# Altium PCB InsaneKeyboard.PcbDoc (part 3 of 4)
Units mil, origin at the board's own origin, x right, y up, seen from the top; angles counter-clockwise.
Board outline 7442.83 x 6333.68 mil, 4 copper layers (Top Layer, Int1 (GND), Int2 (GND), Bottom Layer), stack 60.6 mil thick; 288 components, 175 nets, 883 pads, 451 vias.
Unrouted connection lines stored in the file: 70.
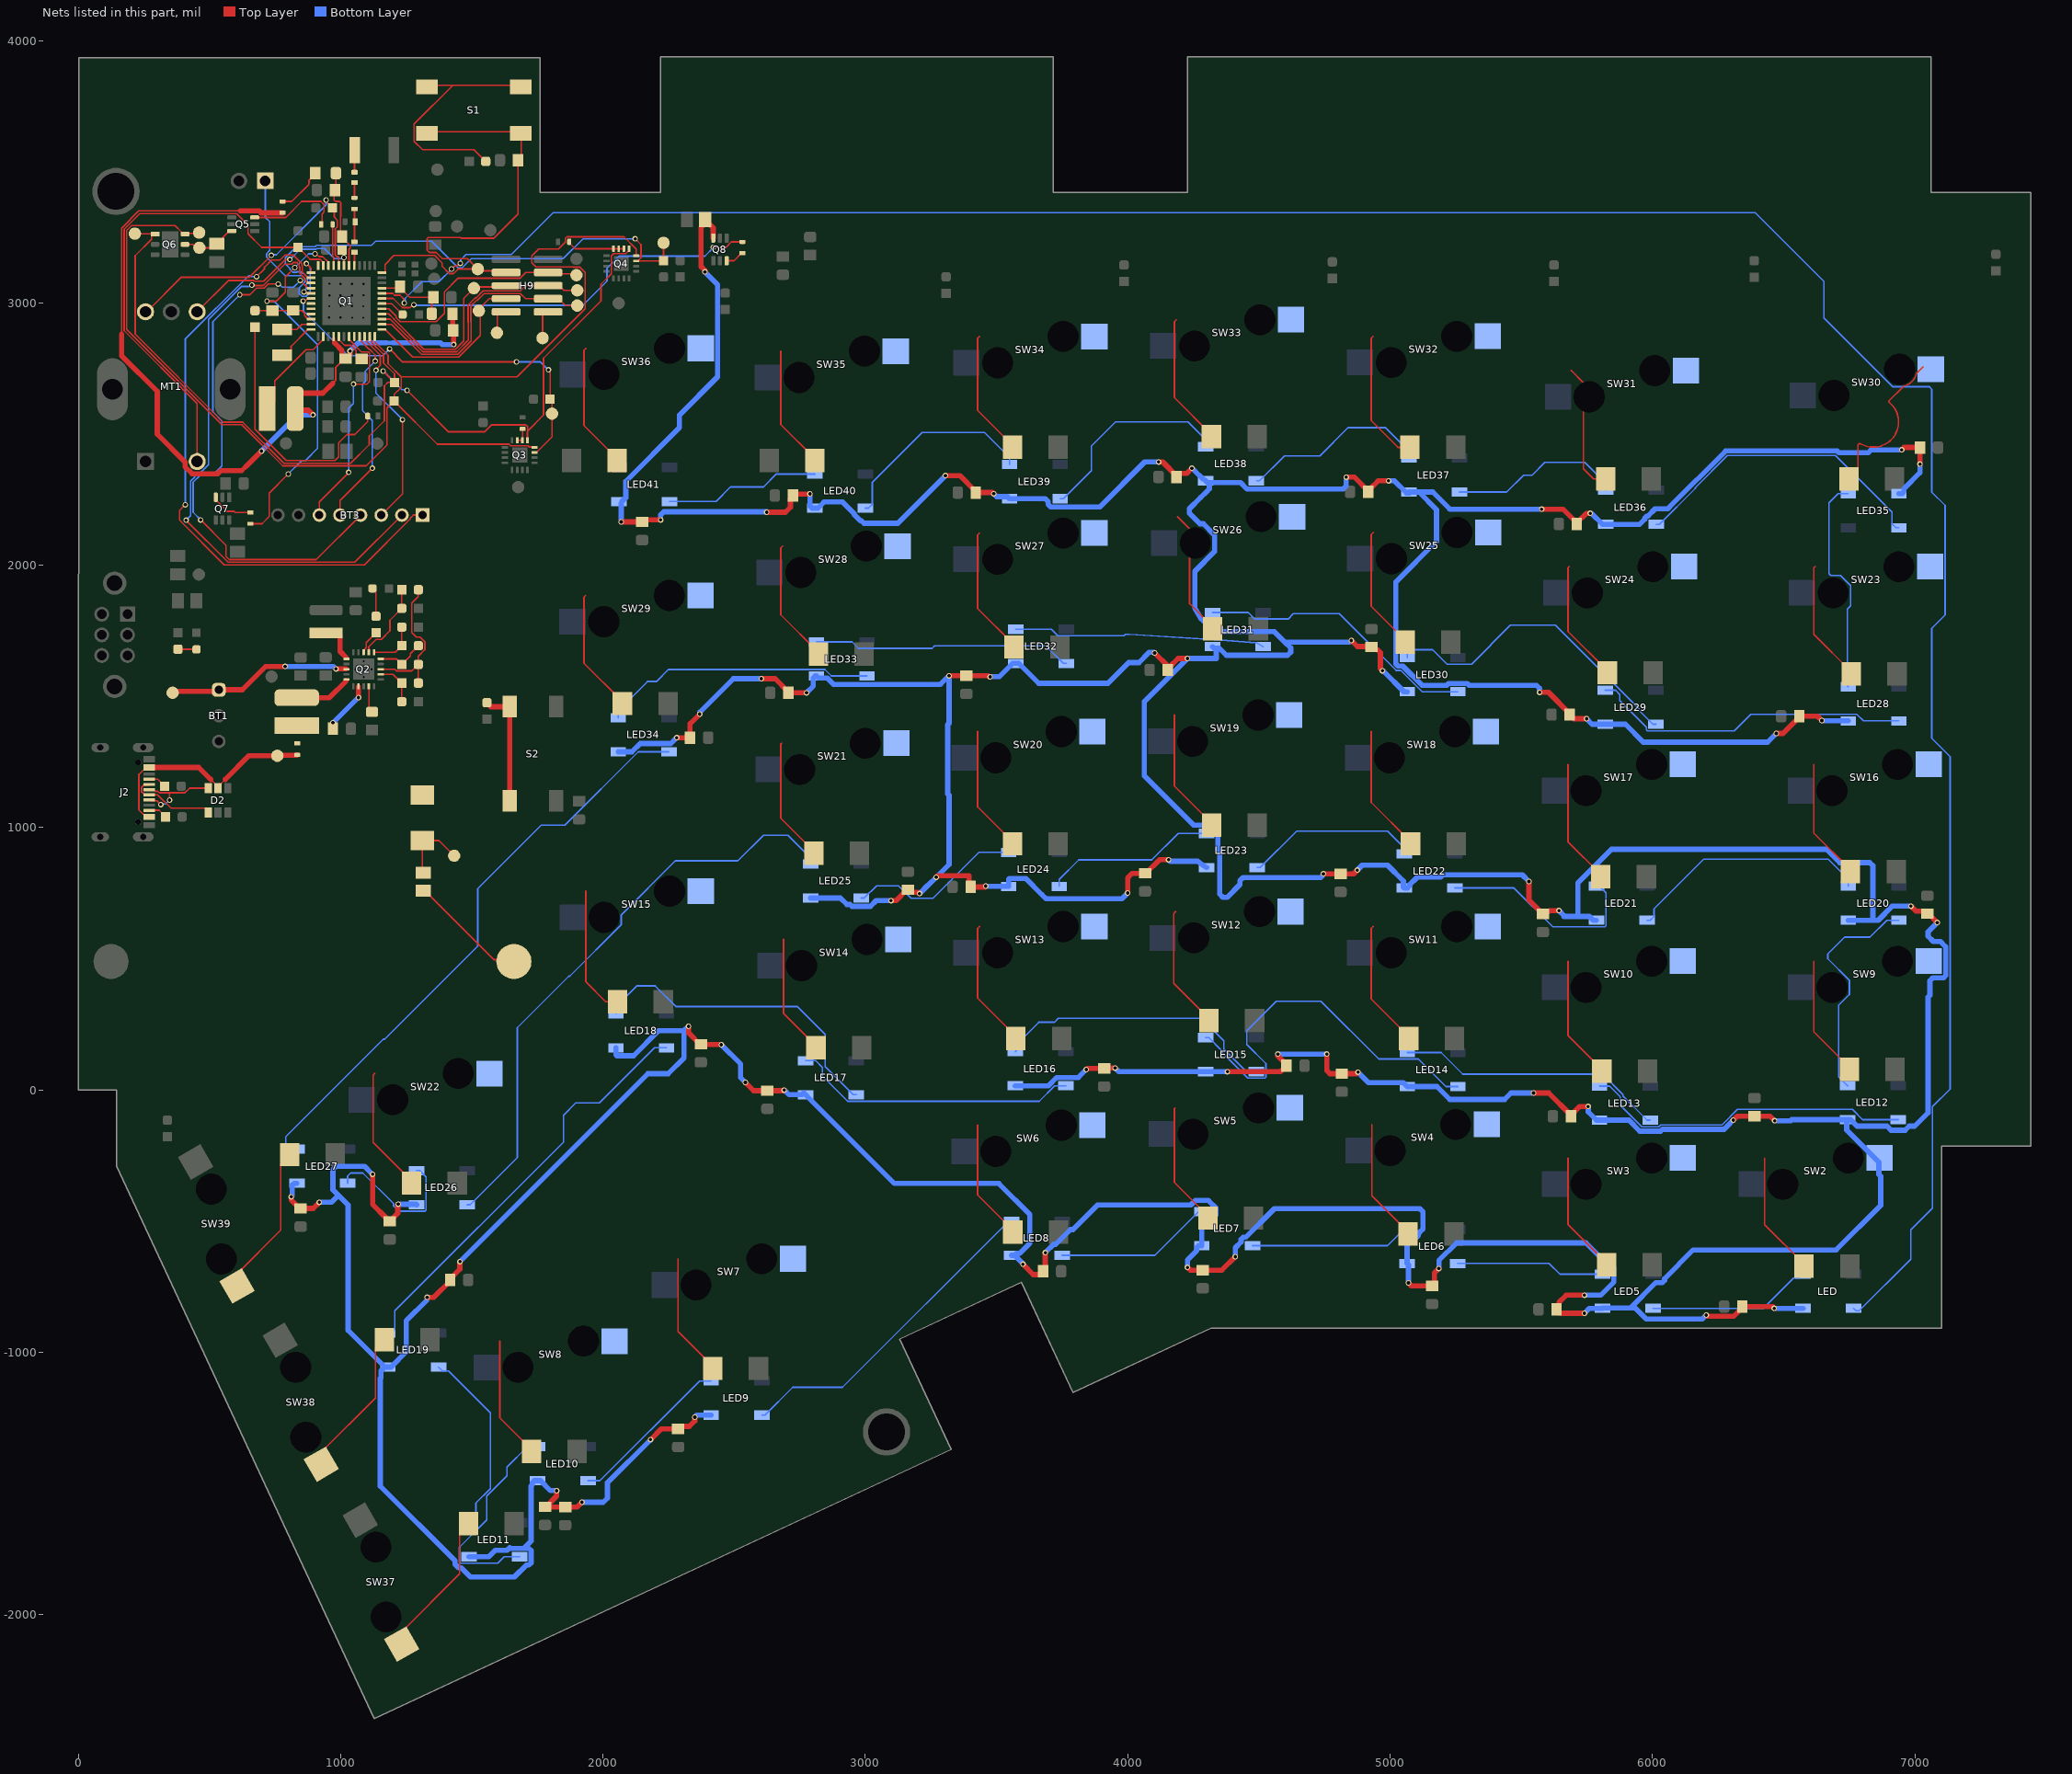
[diagram p5: the nets of this part, all layers, seen from the top]

## Via types
v1: diameter 21, hole 13, Top Layer to Bottom Layer, tented both sides, 278 vias
v2: diameter 21, hole 13, Top Layer to Bottom Layer, 172 vias
v3: diameter 23, hole 13, Top Layer to Bottom Layer, tented both sides, 1 vias

## Nets (pads, with @x,y where several pads share a name; then routed paths per layer and width w, separated by ;. In a path a pad name is that pad's centre, name@x,y a point inside that pad or via, vN(x,y) a via of type N, cw(c..) or ccw(c..) an arc to the next point about the centre after c; other vN are vias at no path point) (continued)
LED_PWR: C30.1 C31.1 C32.1 C33.1 C34.1 C35.1 C36.1 C37.1 C38.1 C39.1 C40.1 C41.1 C42.1 C43.1 C44.1 C45.1 C46.1 C47.1 C48.1 C49.1 C50.1 C51.1 C52.1 C53.1 C54.1 C55.1 C56.1 C57.1 C58.1 C59.1 C60.1 C61.1 C62.1 C63.1 C64.1 C65.1 C66.1 C67.1 C68.1 LED5.1-VDD LED6.1-VDD LED7.1-VDD LED8.1-VDD LED9.1-VDD LED10.1-VDD LED11.1-VDD LED12.1-VDD LED13.1-VDD LED14.1-VDD LED15.1-VDD LED16.1-VDD LED17.1-VDD LED18.1-VDD LED19.1-VDD LED20.1-VDD LED21.1-VDD LED22.1-VDD LED23.1-VDD LED24.1-VDD LED25.1-VDD LED26.1-VDD LED27.1-VDD LED28.1-VDD LED29.1-VDD LED30.1-VDD LED31.1-VDD LED32.1-VDD LED33.1-VDD LED34.1-VDD LED35.1-VDD LED36.1-VDD LED37.1-VDD LED38.1-VDD LED39.1-VDD LED40.1-VDD LED41.1-VDD LED.1-VDD Q8.6 | length 41539.8
  Top Layer w20: v2(812,-407) 812.19,-407.19 812.19,-419.68 844.06,-451.55 C56.1@848,-451.55 895.45,-451.55 v2(919,-428) ; v2(1122,-321) 1122,-435.55 1173.38,-486.93 1173.38,-490.87 1183.06,-500.55 C51.1@1187,-500.55 1190.94,-500.55 1200.62,-490.87 1200.62,-486.93 1218,-469.55 1218,-437 v2(1220,-435) ; v2(1330,-790) 1355.49,-790 1417.55,-727.94 C55.1@1417.55,-724 1417.55,-720.06 1454.81,-682.81 1454.81,-654.19 v2(1455,-654) ; C61.1@1779,-1588.55 1782.94,-1588.55 1823.81,-1547.68 1823.81,-1527.19 v2(1824,-1527) ; C61.1@1779.5,-1589.05 1855.5,-1589.05 C68.1@1856,-1589.55 1901.45,-1589.55 v2(1920,-1571) ; v2(2070,2165) C38.1@2149,2165 2157,2173 v2(2220,2173) ; v2(2181.37,-1332.37) 2222.19,-1291.55 C57.1@2287,-1291.55 2296.69,-1281.87 2329.28,-1281.87 2349.81,-1261.34 v2(2349.81,-1247.19) ; v2(2281,1343) C41.1@2332.1,1343 2332.1,1396.1 v2(2369,1433) ; v2(2326,243) 2326.19,242.81 2326.19,217.77 2369.06,174.9 C54.1@2373,174.9 2374.71,173.19 2450.81,173.19 v2(2451,173) ; v2(2389,3118) 2388.81,3118.19 2388.81,3124.29 2374,3139.1 2374,3286.35 2376.81,3289.16 2376.81,3298.06 C30.1@2389.65,3310.9 ; C30.1@2389.65,3317 C30.1@2389.65,3310.9 ; Q8.6@2420.41,3247.31 2420.41,3286.35 2408.69,3298.06 2402.48,3298.06 C30.1@2389.65,3310.9 ; v2(2543,29) 2574.55,-2.55 C53.1@2627,-2.55 2688.18,-2.55 2690.73,0 v2(2691,0) ; v2(2603.51,1568) 2656.39,1568 2706.45,1517.94 C42.1@2706.45,1514 v2(2776,1514) ; v2(2624,2202) 2695.39,2202 2714.76,2221.38 2714.76,2256.31 C37.1@2724.45,2266 2731.26,2272.81 2732.26,2271.81 2788.81,2271.81 v2(2789,2272) ; v2(3098,722) 3098.19,722.19 3117.25,722.19 3158.06,763 C40.1@3162,763 3171.69,753.31 3201.66,753.31 3206.48,748.5 v2(3206.75,748.5) ; v2(3270,811) 3270.27,811 3276.27,817 3395.28,817 3395.28,780.16 C39.1@3401.45,774 3455.73,774 3458.73,777 v2(3459,777) ; v2(3305.26,2341.51) 3361.19,2341.51 3421.28,2281.42 C36.1@3421.28,2277.48 3484.24,2277.48 3488.73,2273 v2(3489,2273) ; v2(3319,1579) C43.1@3385,1579 3467,1579 3470,1576 3475,1576 v2(3476,1575) ; v2(3601,-664) 3640.41,-703.41 3667.87,-703.41 3677.55,-693.72 C67.1@3677.55,-691 3685.81,-682.74 3685.81,-620.19 v2(3686,-620) ; v2(3842,78) 3842.27,78 3846.72,82.45 C52.1@3910,82.45 3911.36,83.81 3951.81,83.81 v2(3952,84) ; v2(4000,751) 4000,809 4017,826 C50.1@4066,826 4069.94,826 4121.75,877.81 4155.81,877.81 v2(4156,878) ; v2@4102.54,1666.19 4152.45,1616.28 C44.1@4152.45,1601 ; v2(4118,2394) 4118.19,2393.81 4133.12,2393.81 C35.1@4186.21,2340.72 ; C44.1@4158.12,1610.61 4192.32,1644.81 4227.81,1644.81 v2(4228,1645) ; C35.1@4186.21,2336.78 C35.1@4186.21,2340.72 ; v2(4228,-676) 4238.55,-686.55 C66.1@4286,-686.55 4358.45,-686.55 v2(4410,-635) ; v2(4245,2370) 4244.73,2370 4225.13,2350.41 4195.9,2350.41 C35.1@4186.21,2340.72 ; v2(4380,70) 4582.1,70 4591.48,79.38 4595.42,79.38 4605.1,89.06 C58.1@4605.1,93 4605.1,96.94 4572.32,129.72 4572.32,136.85 v2(4572.13,137.04) ; v2(4746,824) C49.1@4811,824 4861,824 v2(4874.83,837.83) ; v2(4759,137.04) 4759,74.16 4770.72,62.45 C65.1@4816,62.45 4872.18,62.45 4877.73,68 v2(4878,68) ; v2(4833,2336) 4833.19,2335.81 4864.58,2335.81 C34.1@4916.45,2283.94 ; v2(4852.39,1713) 4852.66,1713 4875.38,1690.28 4927.27,1690.28 C45.1@4929,1688.55 4938.69,1678.87 4951.28,1678.87 4963,1667.15 4963,1606 v2(4971,1598) ; C34.1@4923.98,2287.53 4923.98,2291.47 4954.32,2321.81 4993.81,2321.81 v2(4994,2322) ; v2(5070,-735) 5070.27,-735 5081.82,-746.55 5161.72,-746.55 5169.4,-738.87 5169.4,-696.87 5186,-680.27 v2(5186,-680) ; v2(5529.15,794.76) 5529.15,724.58 5568.89,684.85 5568.89,680.91 5578.57,671.23 C48.1@5582.51,671.23 5592.19,680.91 5605.03,680.91 5607.85,683.73 5643.02,683.73 5643.1,683.81 5643.92,683.81 v2@5644,683.73 ; v2(5546.95,-11.68) 5605.06,-11.68 C62.1@5689.45,-96.06 ; v2(5570,1516) 5570.19,1515.81 5603.58,1515.81 5684.45,1434.94 C46.1@5684.45,1431 5684.45,1427.06 5694.13,1417.38 5698.07,1417.38 5700.45,1415 v2(5749,1415) ; v2(5578,2214) 5659.21,2214 C33.1@5711.77,2161.44 ; C62.1@5689.45,-100 C62.1@5689.45,-96.06 ; C33.1@5711.77,2157.5 C33.1@5711.77,2161.44 ; v2(5741,-851) 5740.81,-850.81 5655.85,-850.81 5654.66,-849.62 5644.13,-849.62 5634.45,-839.94 C63.1@5634.45,-836 5644.13,-826.31 5644.13,-808.87 5671,-782 v2(5741,-782) ; v2(5755,-63) 5754.81,-63.19 5722.32,-63.19 C62.1@5689.45,-96.06 ; v2(5763,2198) 5762.81,2197.81 5748.14,2197.81 C33.1@5711.77,2161.44 ; v2(6205,-858) 6205.27,-858 6209.89,-862.62 6308.76,-862.62 6342.45,-828.94 C59.1@6342.45,-825 6457,-825 v2(6464,-832) ; v2(6308,-115) 6308.27,-115 6323.82,-99.45 C60.1@6389,-99.45 6448.18,-99.45 6465.73,-117 v2(6466,-117) ; v2(6472,1359.32) 6472.19,1359.51 6497.9,1359.51 6563.39,1425 6628.73,1425 6645.73,1408 v2(6646,1408) ; v2(6950,2440) 6959,2449 C32.1@7019.55,2449 v2(7019.55,2385.45) ; v2(6985,701) 6985.27,701 7004.59,681.69 7038.31,681.69 C47.1@7048,672 7051.94,672 v2(7085.86,638.07)
  Bottom Layer w20: v2(812,-407) 812,-406.73 815.81,-402.92 815.81,-362.92 823.52,-355.2 LED27.1-VDD@833.74,-355.2 ; v2(919,-428) 965,-428 991.76,-401.24 ; v2(1122,-321) 1091.9,-290.9 982.72,-290.9 971,-302.62 971,-380.48 991.76,-401.24 ; v2(1220,-435) 1220.19,-435.19 1287.77,-435.19 LED26.1-VDD@1289.54,-436.96 ; v2(1330,-790) 1329.81,-790.19 1329.81,-800.19 1250,-880 1250,-998.31 1192.35,-1055.96 LED19.1-VDD@1180.54,-1055.96 LED19.1-VDD@1168.73,-1055.96 ; v2(1455,-654) 2171,62 2249,62 2309,122 2309,225.73 ; LED11.1-VDD@1489.54,-1778.96 1565.04,-1778.96 1589.76,-1754.24 1634.4,-1754.24 1644.26,-1744.38 ; 1647.13,-1747.24 1697.76,-1747.24 ; v2(1824,-1527) 1823.81,-1526.81 1800.2,-1526.81 1762.35,-1488.96 LED10.1-VDD@1750.54,-1488.96 1738.73,-1488.96 1731.02,-1496.68 1731.02,-1504.39 1725.98,-1509.43 1725.98,-1719.02 1697.76,-1747.24 ; v2(1920,-1571) 2001,-1571 2017,-1555 2017,-1496.74 v2(2181.37,-1332.37) ; LED18.1-VDD@2049.54,161.04 2049.54,134.32 2053.06,130.81 2116.91,130.81 2212.11,226 2309.27,226 2326,242.73 v2(2326,243) ; LED34.1-VDD@2058.54,1289.04 2110.57,1289.04 2142.28,1320.76 2258.49,1320.76 2280.73,1343 v2(2281,1343) ; LED41.1-VDD@2069.81,2235.32 2069.81,2165.19 v2(2070,2165) ; LED41.1-VDD@2072.35,2243.04 2087.07,2257.76 2087.07,2320.07 2291.35,2524.35 2291.35,2572.35 2437.13,2718.13 2437.13,3069.87 v2(2389,3118) ; v2(2220,2173) 2220,2192.28 2231.72,2204 v2@2624,2204 ; v2(2349.81,-1247.19) 2350.08,-1247.19 2358.31,-1238.96 LED9.1-VDD@2412.54,-1238.96 ; v2(2369,1433) 2369,1440 2497,1568 v2(2603.51,1568) ; v2(2451,173) 2525,99 2525,47 v2(2543,29) ; v2(2691,0) 2691.27,0 2709.23,-17.96 2757.83,-17.96 2765.18,-10.6 LED17.1-VDD@2772.54,-17.96 3110.62,-356.04 3509.04,-356.04 3627,-474 3627,-584 3588.76,-622.24 3577.07,-622.24 LED8.1-VDD@3569.35,-629.96 ; v2(2776,1514) 2776,1514.27 2801.78,1540.05 2801.78,1570.32 2809.49,1578.04 LED33.1-VDD@2813.54,1578.04 2821.26,1570.32 2854.36,1570.32 2878.36,1546.32 3286.32,1546.32 v2@3318.67,1578.67 ; v2(2789,2272) 2789.19,2271.81 2789.19,2225.76 2796.91,2218.04 LED40.1-VDD@2807.54,2218.04 LED40.1-VDD@2811.09,2218.04 ; LED25.1-VDD@2791.54,732.04 2905.12,732.04 2929.84,707.32 2942.13,707.32 2949.13,700.32 3019.78,700.32 3041.46,722 v2(3098,722) ; LED40.1-VDD@2819.35,2218.04 2842.56,2241.24 2913.76,2241.24 2956.93,2198.07 2956.93,2194.52 2981.45,2170 2985,2170 2995,2160 3123.75,2160 v2(3305.26,2341.51) ; v2(3206.75,748.5) 3237.93,779.68 3238.68,779.68 v2(3270,811) 3319,860 3319,1123.47 3313.77,1128.7 3313.77,1392.17 3319,1397.4 v2(3319,1579) ; v2(3459,777) 3459.19,776.81 3545.28,776.81 LED24.1-VDD@3546.09,776 3546.09,802.72 3549.6,806.23 3611.77,806.23 3673.72,744.28 3673.87,744.28 3689.15,729 3978,729 v2(4000,751) ; v2(3476,1575) 3476.19,1575.19 3510.88,1575.19 3561.73,1626.04 LED32.1-VDD@3573.54,1626.04 3585.35,1626.04 3661.39,1550 3924.75,1550 4003.75,1629 4043,1629 4082.86,1668.86 4099.87,1668.86 4102.73,1666 v2(4103,1666) ; v2(3489,2273) 3489.27,2273 3500.51,2261.76 3541.83,2261.76 LED39.1-VDD@3549.54,2254.04 3685.31,2254.04 3697.03,2242.32 3697.03,2232.42 3707.13,2222.32 3893.66,2222.32 4065.34,2394 v2(4118,2394) ; LED8.1-VDD@3557.54,-629.96 LED8.1-VDD@3569.35,-629.96 ; LED16.1-VDD@3571.54,16.04 3697.41,16.04 3729.13,47.76 3811.76,47.76 v2(3842,78) ; v2(3601,-664) 3600.81,-663.81 3600.81,-661.41 3575.2,-635.8 LED8.1-VDD@3569.35,-629.96 ; v2(3686,-620) 3718.02,-587.98 3725.4,-587.98 3781.62,-531.76 3791.52,-531.76 3884.95,-438.32 4240.22,-438.32 4257.54,-421 4307.55,-421 4337,-450.45 4337,-475.63 4317.87,-494.76 4316.38,-494.76 4282.54,-528.6 LED7.1-VDD@4282.54,-592.96 4270.73,-592.96 4263.02,-600.68 4263.02,-612.49 4228.19,-647.31 4228.19,-675.81 v2(4228,-676) ; v2(3952,84) 3952.27,84 3966.23,70.04 LED15.1-VDD@4297.54,70.04 ; v2(4156,878) 4162.33,871.67 4266.6,871.67 4288.69,855.76 LED23.1-VDD@4300.54,848.04 ; v2(4245,2370) 4253.3,2362.14 4285.69,2329.76 LED38.1-VDD@4297.54,2322.04 LED38.1-VDD@4303.87,2315.71 ; LED15.1-VDD@4297.56,70.02 v2(4380,70) ; LED31.1-VDD@4323.54,1690.04 4329.87,1683.71 4337.55,1683.71 4349.36,1683.71 4376.26,1656.81 4609.45,1656.81 4621.17,1668.52 4621.17,1685.09 4599.59,1706.67 ; LED31.1-VDD@4337.55,1676.03 4337.55,1645 v2(4228,1645) 4063.78,1480.78 4063.78,1197.22 4251.32,1009.68 4335.87,1009.68 4344.07,1001.48 4344.07,916.93 4351.08,909.92 4351.08,746.22 4362.79,734.5 4379.36,734.5 4428.12,783.27 4428.12,798.28 4439.84,810 4735.2,810 v2@4741.05,815.84 ; v2(4410,-635) 4410.19,-634.81 4410.19,-601.08 4431.93,-579.34 4431.93,-569.45 4440.13,-561.24 4450.03,-561.24 4559.27,-452 5113.28,-452 5125,-463.72 5125,-530 5108.07,-546.93 5108.07,-554.55 5099.87,-562.76 5092.24,-562.76 5064.54,-590.46 LED6.1-VDD@5064.54,-660.96 5069.81,-666.23 5069.81,-734.81 v2(5070,-735) ; v2(4572.13,137.04) v2(4759,137.04) ; v2@4741.08,815.87 4746.92,821.71 4746.92,823.08 v2(4746,824) ; v2(4833,2336) 4833,2302.71 4821.28,2291 4526.46,2291 4525.78,2290.32 4455.13,2290.32 4429.74,2315.71 4311.55,2315.71 LED38.1-VDD@4303.87,2315.71 ; v2(4852.39,1713) 4846.06,1706.67 4599.59,1706.67 ; v2(4874.83,837.83) 4894.04,857.04 4990.26,857.04 5050.54,796.76 5050.54,774.04 LED22.1-VDD@5054.54,770.04 5066.35,770.04 5074.07,777.76 5074.07,781.84 5104.03,811.8 5192.43,811.8 5200.63,820 5503.91,820 v2(5529.15,794.76) ; v2(4878,68) 4918.24,27.76 5050.83,27.76 LED14.1-VDD@5065.54,13.04 5179.12,13.04 5228.16,-36 5436.85,-36 5461.17,-11.68 v2(5546.95,-11.68) ; v2(4971,1598) 4971.19,1597.81 4973.96,1597.81 5053.73,1518.04 LED30.1-VDD@5065.54,1518.04 ; v2(4994,2322) 4994.19,2321.81 5016.96,2321.81 5062.73,2276.04 LED37.1-VDD@5074.54,2276.04 ; LED37.1-VDD@5071.54,2279.04 5109.96,2279.04 ; v2(5186,-680) 5186.19,-679.81 5186.19,-649.81 5253.68,-582.32 5746.97,-582.32 5834.97,-670.32 5844.87,-670.32 5853.07,-678.52 5853.07,-731.93 5803,-782 v2(5741,-782) ; v2(5570,1516) 5569.81,1516.19 5569.81,1530.73 5557.78,1542.76 5300.78,1542.76 5293.78,1549.76 5223.13,1549.76 5216.13,1542.76 5122.01,1542.76 5048.52,1616.24 5030.22,1616.24 5022.02,1624.45 5022.02,1936.25 5177,2091.24 5177,2212 5109.96,2279.04 ; v2(5578,2214) 5228,2214 5162.96,2279.04 5109.96,2279.04 ; v2(5644,684) 5644,683.73 5662.15,665.58 5662.15,661.76 5716,661.76 ; v2(5741,-851) 5760.04,-831.96 LED5.1-VDD@5809.54,-831.96 ; v2(5749,1415) 5769.96,1394.04 LED29.1-VDD@5820.54,1394.04 5896.96,1394.04 5965,1326 6438.68,1326 v2(6472,1359.32) ; v2(5755,-63) 5755.19,-63.19 5755.19,-83.42 5786.73,-114.96 LED13.1-VDD@5798.54,-114.96 5910.27,-114.96 5951.99,-156.68 6030.93,-156.68 6037.93,-149.68 6273.32,-149.68 6285.31,-137.69 v2(6308,-115) ; v2(5763,2198) 5763.19,2197.81 5767.96,2197.81 5809.73,2156.04 LED36.1-VDD@5821.54,2156.04 5951.25,2156.04 5970.93,2175.72 5970.93,2179.55 5979.13,2187.76 5982.97,2187.76 6010.21,2215 6058,2215 6064,2221 6064.33,2221 6279.01,2435.68 6704.01,2435.68 6711.01,2428.68 6822.32,2428.68 6833.65,2440 v2(6950,2440) ; LED21.1-VDD@5786.54,647.04 5774.73,647.04 5760.02,661.76 5716,661.76 ; LED5.1-VDD@5810.78,-830.72 5916.28,-830.72 ; v2(6205,-858) 6190,-873 5976.45,-873 5934.17,-830.72 5916.28,-830.72 ; v2(6464,-832) LED.1-VDD@6573.54,-831.96 ; v2(6466,-117) 6526.96,-117 6531,-112.96 LED12.1-VDD@6740.54,-112.96 ; v2(6646,1408) 6646.27,1408 6647.23,1407.04 LED28.1-VDD@6746.54,1407.04 ; LED20.1-VDD@6746.54,647.04 6840,647.04 ; LED35.1-VDD@6939.46,2272.96 6951.27,2272.96 6958.98,2280.68 6958.98,2292.49 7019.36,2352.86 7019.36,2385.26 v2(7019.55,2385.45) ; v2(6985,701) 6914.08,701 6860.12,647.04 6840,647.04 ; v2(7085.86,638.07) 7050.48,602.69 7050.48,586.12 7070.51,566.09 7097.53,566.09 7117.56,546.05 7117.56,436.03 7109.36,427.83 7069.2,427.83 7057.48,416.11 7057.48,360.78 7050.48,353.78 7050.48,-86.52 6999.32,-137.68 6978.78,-137.68 6963.46,-153 6909.45,-153 6894.13,-137.68 6780.07,-137.68 6755.35,-112.96 LED12.1-VDD@6743.54,-112.96 LED12.1-VDD@6740.54,-112.96 ; 991.76,-401.24 1028.51,-437.99 1028.51,-915.74 LED19.1-VDD@1168.73,-1055.96 ; LED19.1-VDD@1168.73,-1055.96 1154.02,-1070.68 1154.02,-1096.66 1151.54,-1099.13 1151.54,-1509.54 1436.02,-1794.02 1436.02,-1806.62 1450.07,-1820.68 1459.97,-1820.68 1495.3,-1856 1662.56,-1856 1707.88,-1810.68 1717.78,-1810.68 1725.98,-1802.48 1725.98,-1755.45 1717.78,-1747.24 1697.76,-1747.24 ; LED38.1-VDD@4303.87,2315.71 4311.55,2308.03 4311.55,2291.47 4299.83,2279.75 4277.74,2258.05 4234.94,2215.26 4234.94,2198.69 4275.58,2158.05 4288.26,2158.05 4331.05,2115.26 4331.05,2052.29 4255.95,1977.18 4255.95,1838.09 4280.02,1796.45 4288.22,1788.24 4294.58,1783.8 4347.4,1747.45 4558.81,1747.45 4599.59,1706.67 ; 5716,661.76 5716,789.62 5844.05,917.68 6662.97,917.68 6713.65,867 6828.28,867 6840,855.28 6840,647.04 ; 5916.28,-830.72 6013.24,-733.76 6037.78,-733.76 6045.98,-725.55 6045.98,-718.91 6155.44,-609.45 6700.36,-609.45 6869.98,-439.83 6869.98,-328.7 6862.98,-321.7 6862.98,-313.42 6862.98,-275.12 6740.54,-152.68 LED12.1-VDD@6740.54,-112.96
NetATT1_0: ATT1.FEED L2.2 | length 84.3
  Top Layer w6: L2.2@1053.32,3497.94 1053.32,3580.32 1053.32,3581.32 ATT1.FEED@1054,3582
NetBT2_P: BT2.P C23.2 | length 456.3
  Top Layer w6: C23.2@1316,759.35 1322.1,759.35 1584.79,496.67 1654.05,496.67 BT2.P@1660.72,490
NetC1_1: C1.1 L1.2 R1.1 | length 127.4
  Top Layer w6: L1.2@1053,3232.68 1053,3305.86 C1.1@1056.36,3309.22 1053,3312.58 R1.1@1053,3357.35
NetC2_1: C2.1 C3.1 L3.2 Q1.9 | length 277.7
  Top Layer w6: Q1.9@1158,3056.31 1220.87,3056.31 1224.58,3060.03 C2.1@1226.55,3062 ; C2.1@1226.55,3058.06 1263.61,3021 C3.1@1353.55,3021 1347.63,3015.08 L3.2@1347.63,2959
NetC4_1: C4.1 C5.1 L4.2 Q1.18 | length 396.5
  Top Layer w6: C4.1@978.45,3430 C4.1@975.45,3427 ; L4.2@982.37,3495 982.37,3433.92 C4.1@975.45,3427 ; Q1.18@1032.61,3142.34 1032.61,3204.67 1036.4,3208.47 1036.4,3218.87 1006.21,3249.06 C5.1@1006.21,3253 1000.15,3259.07 1000.15,3327.54 1000.76,3328.15 1000.76,3382.07 996.11,3386.72 980.1,3386.72 975.45,3391.38 C4.1@975.45,3427
NetC10_1: C10.1 C11.1 Q1.34 R5.2 | length 233.2
  Top Layer w6: R5.2@674,2970.5 739.94,2970.5 C10.1@740,2970.55 819.45,2970.55 C11.1@820,2971.1 852.62,2971.1 863.11,2960.62 863.11,2950.81 873.6,2940.32 885.41,2940.32 Q1.34@887.53,2938.2
NetC12_1: C12.1 Q1.41 | length 126.2
  Top Layer w6: Q1.41@993.24,2860.05 995.35,2857.94 1015.1,2838.19 1039.63,2838.19 1059.38,2818.44 1059.38,2803.13 1076.06,2786.45 C12.1@1080,2786.45
NetC17_1: C17.1 D1.1 L8.1 Q2.2 R13.1 | length 178.5
  Top Layer w20: Q2.2@1068.41,1537.23 1068.41,1496.09 v1(1068.5,1496)
  Bottom Layer w20: v1(971,1400) 1066.81,1495.81 1068.31,1495.81 v1(1068.5,1496)
NetC18_2: C18.2 Q2.4 | length 102.7
  Top Layer w6: Q2.4@1107.68,1539.04 1108.4,1538.32 1108.4,1452.86 C18.2@1119.9,1441.36
NetC23_1: C23.1 D1.2 TP15.1 | length 269
  Top Layer w6: C23.1@1316,828.65 1312,832.65 D1.2@1312,951 1375,951 TP15.1@1433,893
NetD3_2: D3.2 SW2.1 | length 474.2
  Top Layer w6: 6427.99,-258.96 6427.99,-513.49 6578,-663.5 D3.2@6578,-671
NetD4_2: D4.2 SW3.1 | length 467.9
  Top Layer w6: 5677.98,-258.96 5677.98,-511.48 5825,-658.5 D4.2@5825,-666
NetD5_2: D5.2 SW4.1 | length 475.1
  Top Layer w6: 4931.06,-131 4931.06,-403.56 5069,-541.5 D5.2@5069,-549
NetD6_2: D6.2 SW5.1 | length 473.9
  Top Layer w6: 4180.06,-68 4177.97,-70.09 4177.97,-352.47 4306,-480.5 D6.2@4306,-488
NetD7_2: D7.2 SW6.1 | length 462.6
  Top Layer w6: 3427.97,-133.96 3427.97,-399.47 3562,-533.5 D7.2@3562,-541
NetD8_2: D8.2 SW7.1 | length 473.1
  Top Layer w6: 2286.06,-643 2286.06,-920.56 2419,-1053.5 D8.2@2419,-1061
NetD9_2: D9.2 SW8.1 | length 471.1
  Top Layer w6: 1606.94,-957.07 1606.94,-1249.44 1728,-1370.5 D9.2@1728,-1378
NetD10_2: D10.2 SW9.1 | length 468.2
  Top Layer w6: 6615.49,491.04 6615.49,222.01 6751,86.5 D10.2@6751,79
NetD11_2: D11.2 SW10.1 | length 473
  Top Layer w6: 5677.98,491.04 5677.98,208.09 5807.05,79.03 D11.2@5807.05,71.53
NetD12_2: D12.2 SW11.1 | length 488.5
  Top Layer w6: 4935.05,622.88 4927.98,615.8 4927.98,347.1 5071.05,204.03 D12.2@5071.05,196.53
NetD13_2: D13.2 SW12.1 | length 474.6
  Top Layer w6: 4183.06,680 4175.17,672.11 4175.17,406.9 4310.05,272.03 D13.2@4310.05,264.53
NetD14_2: D14.2 SW13.1 | length 489.8
  Top Layer w6: 3435.04,622.88 3427.97,615.8 3427.97,350.11 3574.05,204.03 D14.2@3574.05,196.53
NetD15_2: D15.2 SW14.1 | length 464.3
  Top Layer w6: 2688.06,574 2688.06,292.44 2812,168.5 D15.2@2812,161
NetD16_2: D16.2 SW15.1 | length 498
  Top Layer w6: 1935.06,758 1935.06,411.94 2010,337 D16.2@2056,337
NetD17_2: D17.2 SW16.1 | length 466.8
  Top Layer w6: 6615.49,1241.05 6615.49,979.01 6755,839.5 D17.2@6755,832
NetD18_2: D18.2 SW17.1 | length 479.3
  Top Layer w6: 5677.98,1241.05 5677.98,946.09 5803.05,821.03 D18.2@5803.05,813.53
NetD19_2: D19.2 SW18.1 | length 489.7
  Top Layer w6: 4927.98,1366.05 4927.98,1096.1 5078.05,946.03 D19.2@5078.05,938.53
NetD20_2: D20.2 SW19.1 | length 478.3
  Top Layer w6: 4177.97,1428.95 4177.97,1159.1 4320.05,1017.03 D20.2@4320.05,1009.53
NetD21_2: D21.2 SW20.1 | length 482.6
  Top Layer w6: 3427.97,1366.05 3427.97,1079.11 3561.05,946.03 D21.2@3561.05,938.53
NetD22_2: D22.2 SW21.1 | length 473.5
  Top Layer w6: 2681.06,1322 2677.96,1318.9 2677.96,1035.54 2804,909.5 D22.2@2804,902
NetD23_2: D23.2 SW22.1 | length 481.6
  Top Layer w6: 1130.06,63 1123.75,56.69 1123.75,-200.25 1271,-347.5 D23.2@1271,-355
NetD24_2: D24.2 SW23.1 | length 469.4
  Top Layer w6: 6620.06,1995 6615.49,1990.43 6615.49,1736.59 6758.05,1594.03 D24.2@6758.05,1586.53
NetD25_2: D25.2 SW24.1 | length 468.7
  Top Layer w6: 5683.06,1995 5677.98,1989.92 5677.98,1748.09 5828.05,1598.03 D25.2@5828.05,1590.53
NetD26_2: D26.2 SW25.1 | length 475.7
  Top Layer w6: 4936.06,2125 4927.98,2116.92 4927.98,1844.1 5058.05,1714.03 D26.2@5058.05,1706.53
NetD27_2: D27.2 SW26.1 | length 483.5
  Top Layer w6: 4189.06,2185 4190.05,2185 4236.26,2138.79 4236.26,1853.24 4324,1765.5 D27.2@4324,1758
NetD28_2: D28.2 SW27.1 | length 494.9
  Top Layer w6: 3435.04,2122.89 3427.97,2115.81 3427.97,1835.11 3567.05,1696.03 D28.2@3567.05,1688.53
NetD29_2: D29.2 SW28.1 | length 474.1
  Top Layer w6: 2685.04,2072.89 2677.96,2065.81 2677.96,1811.54 2821,1668.5 D29.2@2821,1661
NetD30_2: D30.2 SW29.1 | length 475
  Top Layer w6: 1934.06,1885 1927.96,1878.89 1927.96,1626.54 2074,1480.5 D30.2@2074,1473
NetD31_2: D31.2 SW30.1 | length 635.8
  Top Layer w6: D31.2@6749.05,2329.53 6783,2371.03 6783,2459.98 6786.51,2463.49 6791.49,2463.49 6798.79,2460.17 6815.24,2453.88 6828.8,2450.67 6855.2,2450.67 6872.28,2454.82 6888.37,2462 6900.23,2469.32 6918.89,2487.98 6926.22,2499.85 6928.04,2502.99 6934.34,2519.46 6937.55,2533.01 6937.55,2559.41 6933.39,2576.49 6926.21,2592.58 6918.89,2604.44 6901.65,2621.68 6901.65,2626.65 6956.73,2681.73 6957.88,2682.88 ccw(c6942,2747) 7006.12,2731.12 7032,2757
NetD32_2: D32.2 SW31.1 | length 494.7
  Top Layer w6: 5690.06,2742 5691.05,2742 5737.26,2695.79 5737.26,2368.32 5776.05,2329.53 D32.2@5822.05,2329.53